# KiCad board haptic display 8x8 aisler.kicad_pcb (continued)
## Routing (per net, layer and track width the routed paths; a pad name or vN(x,y) marks a point on that pad's centre or on a via; arc(x,y) is an arc through that point) (continued)
  Back w0.15: 80.41,123.98 80.36,123.96 80,123.6 80,123.55 80.21,123.56 80.41,123.6 80.61,123.67 80.8,123.76 80.97,123.88 81.12,124.03 81.25,124.19 81.36,124.38 81.44,124.58 81.49,124.79 81.51,125 81.5,125.22 81.46,125.43 81.39,125.64 81.29,125.83 81.16,126.01 81.01,126.17 80.84,126.31 80.65,126.42 80.44,126.5 80.22,126.55 80,126.58 79.78,126.56 79.55,126.52 79.34,126.45 79.14,126.34 78.95,126.21 78.78,126.05 78.64,125.87 78.53,125.67 78.44,125.46 78.38,125.23 78.36,125 78.37,124.77 78.42,124.54 78.49,124.31 78.6,124.1 78.74,123.91 78.91,123.74 79.09,123.59 79.3,123.47 79.52,123.38 79.76,123.32 80,123.3 80.22,123.31 80.44,123.35 80.66,123.41 80.86,123.51 81.05,123.63 81.22,123.78 81.38,123.94 81.51,124.13 81.61,124.33 81.69,124.55 81.74,124.77 81.76,125 81.75,125.23 81.71,125.46 81.64,125.68 81.54,125.89 81.42,126.09 81.27,126.27 81.1,126.43 80.9,126.56 80.69,126.67 80.47,126.75 80.24,126.8 80,126.83 79.76,126.81 79.52,126.77 79.3,126.7 79.08,126.6 78.87,126.47 78.69,126.31 78.52,126.13 78.38,125.93 78.27,125.72 78.19,125.49 78.13,125.25 78.11,125 78.12,124.75 78.17,124.51 78.24,124.27 78.35,124.05 78.48,123.84 78.64,123.64 78.83,123.47 79.04,123.33 79.26,123.21 79.5,123.13 79.75,123.07 80,123.05 80.24,123.06 80.47,123.1 80.7,123.16 80.92,123.26 81.12,123.38 81.31,123.52 81.48,123.68 81.64,123.87 81.76,124.07 81.87,124.29 81.94,124.52 81.99,124.76 82.01,125 82,125.24 81.96,125.48 81.9,125.72 81.8,125.94 81.68,126.16 81.53,126.35 81.36,126.53 81.17,126.69 80.96,126.82 80.73,126.93 80.49,127.01 80.25,127.06 80,127.08 79.75,127.06 79.5,127.02 79.26,126.95 79.03,126.85 78.81,126.73 78.6,126.57 78.42,126.4 78.26,126.2 78.12,125.98 78.01,125.75 77.93,125.51 77.88,125.26 77.86,125 77.87,124.74 77.92,124.49 77.99,124.24 78.09,124 78.22,123.77 78.38,123.56 78.56,123.37 78.76,123.21 78.99,123.07 79.22,122.96 79.48,122.87 79.74,122.82 80,122.8 80.25,122.81 80.49,122.85 80.73,122.91 80.96,123 81.18,123.12 81.39,123.26 81.58,123.42 81.75,123.61 81.9,123.81 82.02,124.03 82.12,124.26 82.2,124.5 82.24,124.75 82.26,125 82.25,125.25 82.21,125.51 82.15,125.75 82.05,125.99 81.93,126.22 81.79,126.43 81.62,126.62 81.43,126.8 81.23,126.95 81,127.08 80.76,127.18 80.52,127.26 80.26,127.31 80,127.33 79.74,127.31 79.48,127.28 79.23,127.21 78.98,127.11 78.75,126.99 78.53,126.84 78.33,126.67 78.15,126.47 78,126.26 77.87,126.03 77.76,125.78 77.68,125.53 77.63,125.27 77.61,125 77.62,124.73 77.66,124.47 77.73,124.21 77.83,123.96 77.96,123.72 78.11,123.49 78.29,123.29 78.49,123.11 78.71,122.94 78.94,122.81 79.2,122.7 79.46,122.62 79.73,122.57 80,122.55 80.26,122.56 80.51,122.6 80.76,122.66 81,122.75 81.24,122.86 81.45,123 81.66,123.16 81.85,123.34 82.01,123.54 82.16,123.75 82.28,123.98 82.38,124.23 82.45,124.48 82.49,124.74 82.51,125 82.5,125.26 82.47,125.52 82.4,125.78 82.31,126.03 82.19,126.27 82.05,126.49 81.89,126.7 81.7,126.89 81.5,127.06 81.28,127.21 81.04,127.34 80.79,127.44 80.53,127.51 80.27,127.56 80,127.58 79.73,127.57 79.46,127.53 79.2,127.46 78.95,127.37 78.7,127.25 78.47,127.1 78.26,126.94 78.06,126.75 77.89,126.54 77.73,126.31 77.61,126.07 77.5,125.81 77.43,125.55 77.38,125.28 77.36,125 77.37,124.72 77.41,124.45 77.48,124.18 77.58,123.92 77.7,123.67 77.85,123.44 78.02,123.22 78.21,123.02 78.43,122.84 78.66,122.68 78.91,122.55 79.17,122.44 79.44,122.37 79.72,122.32 80,122.3 80.27,122.31 80.53,122.34 80.79,122.41 81.04,122.49 81.28,122.6 81.51,122.74 81.73,122.89 81.93,123.07 82.11,123.26 82.28,123.48 82.42,123.71 82.54,123.95 82.63,124.2 82.7,124.46 82.75,124.73 82.76,125 82.75,125.27 82.72,125.54 82.65,125.81 82.57,126.06 82.45,126.31 82.32,126.55 82.16,126.77 81.98,126.98 81.77,127.16 81.56,127.33 81.32,127.47 81.08,127.6 80.82,127.69 80.55,127.76 80.28,127.81 80,127.83 79.72,127.82 79.45,127.78 79.18,127.71 78.91,127.62 78.66,127.51 78.42,127.37 78.19,127.2 77.98,127.02 77.79,126.81 77.62,126.59 77.47,126.35 77.35,126.1 77.25,125.83 77.18,125.56 77.13,125.28 77.11,125 77.12,124.72 77.16,124.44 77.23,124.16 77.32,123.89 77.44,123.63 77.58,123.38 77.75,123.15 77.94,122.94 78.15,122.74 78.37,122.57 78.62,122.42 78.88,122.29 79.15,122.19 79.43,122.11 79.71,122.07 80,122.05 80.27,122.06 80.54,122.09 80.81,122.15 81.07,122.24 81.32,122.34 81.56,122.47 81.79,122.63 82.01,122.8 82.2,122.99 82.38,123.2 82.54,123.43 82.68,123.67 82.8,123.92 82.89,124.18 82.95,124.45 83,124.72 83.01,125 83,125.28 82.97,125.55 82.91,125.83 82.82,126.09 82.71,126.35 82.58,126.6 82.42,126.83 82.25,127.05 82.05,127.25 81.84,127.43 81.61,127.6 81.36,127.74 81.11,127.85 80.84,127.95 80.56,128.02 80.28,128.06 80,128.07 79.72,128.07 79.43,128.03 79.16,127.97 78.88,127.88 78.62,127.77 78.37,127.63 78.13,127.47 77.91,127.29 77.7,127.09 77.52,126.88 77.35,126.64 77.21,126.39 77.09,126.13 76.99,125.86 76.92,125.58 76.88,125.29 76.86,125 76.87,124.71 76.91,124.42 76.97,124.14 77.06,123.86 77.17,123.59 77.31,123.34 77.48,123.09 77.66,122.87 77.86,122.66 78.09,122.47 78.33,122.3 78.58,122.15 78.85,122.03 79.13,121.93 79.41,121.86 79.71,121.82 80,121.8 80.28,121.81 80.56,121.84 80.83,121.9 81.1,121.98 81.36,122.08 81.61,122.21 81.85,122.36 82.07,122.53 82.28,122.72 82.48,122.92 82.65,123.14 82.81,123.38 82.94,123.63 83.05,123.89 83.14,124.16 83.21,124.43 83.25,124.72 83.26,125 83.25,125.28 83.22,125.57 83.16,125.85 83.08,126.12 82.97,126.39 82.84,126.64 82.69,126.89 82.52,127.11 82.33,127.33 82.12,127.53 81.89,127.7 81.65,127.86 81.4,128 81.13,128.11 80.86,128.2 80.58,128.27 80.29,128.31 80,128.32 79.71,128.32 79.42,128.28 79.14,128.22 78.86,128.14 78.59,128.03 78.33,127.9 78.08,127.74 77.84,127.57 77.63,127.37 77.43,127.16 77.25,126.93 77.08,126.68 76.95,126.42 76.83,126.15 76.74,125.87 76.67,125.59 76.63,125.29 76.61,125 76.62,124.7 76.66,124.41 76.72,124.12 76.8,123.84 76.91,123.56 77.05,123.3 77.21,123.04 77.38,122.8 77.58,122.58 77.8,122.38 78.04,122.19 78.29,122.03 78.55,121.89 78.82,121.77 79.11,121.68 79.4,121.61 79.7,121.57 80,121.55 80.29,121.56 80.57,121.59 80.85,121.65 81.12,121.72 81.39,121.83 81.65,121.95 81.9,122.09 82.14,122.26 82.36,122.44 82.56,122.64 82.75,122.86 82.92,123.09 83.07,123.34 83.2,123.6 83.31,123.86 83.4,124.14 83.46,124.42 83.5,124.71 83.51,125 83.5,125.29 83.47,125.58 83.41,125.86 83.33,126.14 83.23,126.42 83.11,126.68 82.96,126.93 82.79,127.17 82.61,127.4 82.4,127.61 82.18,127.8 81.94,127.97 81.69,128.13 81.43,128.26 81.16,128.37 80.88,128.46 80.59,128.52 80.29,128.56 80,128.57 79.7,128.57 79.41,128.53 79.12,128.48 78.83,128.39 78.56,128.29 78.29,128.16 78.03,128.01 77.79,127.84 77.56,127.65 77.35,127.44 77.15,127.22 76.97,126.98 76.82,126.72 76.68,126.45 76.57,126.18 76.48,125.89 76.42,125.6 76.38,125.3 76.36,125 76.37,124.7 76.41,124.4 76.46,124.1 76.55,123.81 76.65,123.53 76.78,123.26 76.94,123 77.11,122.75 77.3,122.52 77.51,122.3 77.74,122.1 77.99,121.92 78.25,121.76 78.52,121.63 78.8,121.51 79.09,121.42 79.39,121.36 79.69,121.32 80,121.3 80.29,121.31 80.58,121.34 80.87,121.39 81.15,121.47 81.42,121.57 81.69,121.69 81.94,121.83 82.19,121.99 82.42,122.17 82.64,122.36 82.84,122.57 83.02,122.8 83.19,123.05 83.34,123.3 83.46,123.57 83.57,123.84 83.65,124.12 83.71,124.41 83.75,124.71 83.76,125 83.75,125.3 83.72,125.59 83.67,125.88 83.59,126.17 83.49,126.45 83.37,126.72 83.23,126.98 83.06,127.23 82.88,127.46 82.68,127.68 82.47,127.89 82.23,128.07 81.99,128.24 81.73,128.39 81.46,128.52 81.18,128.63 80.89,128.71 80.6,128.77 80.3,128.81 80,128.82 79.7,128.82 79.4,128.78 79.1,128.73 78.81,128.65 78.53,128.55 78.25,128.42 77.99,128.28 77.74,128.11 77.5,127.93 77.27,127.73 77.07,127.51 76.88,127.27 76.7,127.02 76.55,126.76 76.42,126.48 76.31,126.2 76.23,125.91 76.17,125.61 76.13,125.3 76.11,125 76.12,124.69 76.15,124.39 76.21,124.09 76.29,123.79 76.39,123.51 76.52,123.23 76.67,122.96 76.83,122.7 77.02,122.46 77.23,122.23 77.45,122.02 77.69,121.82 77.95,121.65 78.22,121.5 78.49,121.37 78.78,121.26 79.08,121.17 79.38,121.1 79.69,121.07 80,121.05 80.3,121.06 80.59,121.09 80.88,121.14 81.17,121.21 81.45,121.31 81.72,121.43 81.99,121.56 82.24,121.72 82.48,121.89 82.71,122.08 82.92,122.29 83.12,122.51 83.3,122.75 83.46,123 83.6,123.27 83.72,123.54 83.82,123.82 83.9,124.11 83.96,124.4 84,124.7 84.01,125 84,125.3 83.97,125.6 83.92,125.89 83.85,126.19 83.75,126.47 83.63,126.75 83.49,127.02 83.33,127.27 83.16,127.52 82.96,127.75 82.75,127.97 82.52,128.17 82.28,128.35 82.03,128.51 81.76,128.66 81.48,128.78 81.2,128.88 80.9,128.96 80.61,129.02 80.3,129.06 80,129.07 79.7,129.07 79.39,129.04 79.09,128.98 78.8,128.91 78.51,128.81 78.22,128.69 77.95,128.55 77.69,128.39 77.44,128.21 77.21,128.01 76.99,127.79 76.79,127.56 76.6,127.32 76.43,127.06 76.29,126.79 76.16,126.51 76.06,126.22 75.97,125.92 75.91,125.62 75.88,125.31 75.86,125 75.87,124.69 75.9,124.38 75.96,124.08 76.03,123.78 76.13,123.48 76.26,123.2 76.4,122.92 76.56,122.66 76.74,122.4 76.95,122.17 77.16,121.94 77.4,121.74 77.65,121.55 77.91,121.38 78.19,121.23 78.47,121.1 78.77,121 79.07,120.91 79.37,120.85 79.69,120.81 80,120.8 80.3,120.81 80.6,120.84 80.89,120.89 81.19,120.96 81.47,121.05 81.75,121.16 82.02,121.3 82.28,121.45 82.53,121.62 82.77,121.8 82.99,122.01 83.2,122.23 83.39,122.46 83.57,122.71 83.72,122.97 83.86,123.24 83.98,123.52 84.08,123.8 84.16,124.1 84.21,124.39 84.25,124.7 84.26,125 84.25,125.3 84.22,125.61 84.17,125.91 84.1,126.2 84.01,126.49 83.89,126.78 83.76,127.05 83.6,127.32 83.43,127.57 83.24,127.81 83.04,128.04 82.81,128.25 82.58,128.44 82.33,128.62 82.06,128.78 81.79,128.92 81.51,129.04 81.22,129.14 80.92,129.22 80.61,129.28 80.31,129.31 80,129.32 79.69,129.32 79.38,129.29 79.08,129.23 78.78,129.16 78.48,129.07 78.2,128.95 77.92,128.81 77.65,128.66 77.39,128.48 77.15,128.29 76.92,128.08 76.71,127.85 76.51,127.61 76.33,127.36 76.17,127.09 76.02,126.82 75.9,126.53 75.8,126.23 75.72,125.93 75.66,125.62 75.63,125.31 75.61,125 75.62,124.69 75.65,124.37 75.7,124.07 75.78,123.76 75.88,123.46 75.99,123.17 76.13,122.89 76.29,122.62 76.47,122.36 76.66,122.11 76.88,121.88 77.1,121.66 77.35,121.46 77.61,121.28 77.88,121.11 78.16,120.97 78.45,120.84 78.75,120.74 79.06,120.66 79.37,120.6 79.68,120.56 80,120.55 81.45,120.55 ; 80.41,108.98 80.36,108.96 80,108.6 80,108.55 80.21,108.56 80.41,108.6 80.61,108.67 80.8,108.76 80.97,108.88 81.12,109.03 81.25,109.19 81.36,109.38 81.44,109.58 81.49,109.79 81.51,110 81.5,110.22 81.46,110.43 81.39,110.64 81.29,110.83 81.16,111.01 81.01,111.17 80.84,111.31 80.65,111.42 80.44,111.5 80.22,111.55 80,111.58 79.78,111.56 79.55,111.52 79.34,111.45 79.14,111.34 78.95,111.21 78.78,111.05 78.64,110.87 78.53,110.67 78.44,110.46 78.38,110.23 78.36,110 78.37,109.77 78.42,109.54 78.49,109.31 78.6,109.1 78.74,108.91 78.91,108.74 79.09,108.59 79.3,108.47 79.52,108.38 79.76,108.32 80,108.3 80.22,108.31 80.44,108.35 80.66,108.41 80.86,108.51 81.05,108.63 81.22,108.78 81.38,108.94 81.51,109.13 81.61,109.33 81.69,109.55 81.74,109.77 81.76,110 81.75,110.23 81.71,110.46 81.64,110.68 81.54,110.89 81.42,111.09 81.27,111.27 81.1,111.43 80.9,111.56 80.69,111.67 80.47,111.75 80.24,111.8 80,111.83 79.76,111.81 79.52,111.77 79.3,111.7 79.08,111.6 78.87,111.47 78.69,111.31 78.52,111.13 78.38,110.93 78.27,110.72 78.19,110.49 78.13,110.25 78.11,110 78.12,109.75 78.17,109.51 78.24,109.27 78.35,109.05 78.48,108.84 78.64,108.64 78.83,108.47 79.04,108.33 79.26,108.21 79.5,108.13 79.75,108.07 80,108.05 80.24,108.06 80.47,108.1 80.7,108.16 80.92,108.26 81.12,108.38 81.31,108.52 81.48,108.68 81.64,108.87 81.76,109.07 81.87,109.29 81.94,109.52 81.99,109.76 82.01,110 82,110.24 81.96,110.48 81.9,110.72 81.8,110.94 81.68,111.16 81.53,111.35 81.36,111.53 81.17,111.69 80.96,111.82 80.73,111.93 80.49,112.01 80.25,112.06 80,112.08 79.75,112.06 79.5,112.02 79.26,111.95 79.03,111.85 78.81,111.73 78.6,111.57 78.42,111.4 78.26,111.2 78.12,110.98 78.01,110.75 77.93,110.51 77.88,110.26 77.86,110 77.87,109.74 77.92,109.49 77.99,109.24 78.09,109 78.22,108.77 78.38,108.56 78.56,108.37 78.76,108.21 78.99,108.07 79.22,107.96 79.48,107.87 79.74,107.82 80,107.8 80.25,107.81 80.49,107.85 80.73,107.91 80.96,108 81.18,108.12 81.39,108.26 81.58,108.42 81.75,108.61 81.9,108.81 82.02,109.03 82.12,109.26 82.2,109.5 82.24,109.75 82.26,110 82.25,110.25 82.21,110.51 82.15,110.75 82.05,110.99 81.93,111.22 81.79,111.43 81.62,111.62 81.43,111.8 81.23,111.95 81,112.08 80.76,112.18 80.52,112.26 80.26,112.31 80,112.33 79.74,112.31 79.48,112.28 79.23,112.21 78.98,112.11 78.75,111.99 78.53,111.84 78.33,111.67 78.15,111.47 78,111.26 77.87,111.03 77.76,110.78 77.68,110.53 77.63,110.27 77.61,110 77.62,109.73 77.66,109.47 77.73,109.21 77.83,108.96 77.96,108.72 78.11,108.49 78.29,108.29 78.49,108.11 78.71,107.94 78.94,107.81 79.2,107.7 79.46,107.62 79.73,107.57 80,107.55 80.26,107.56 80.51,107.6 80.76,107.66 81,107.75 81.24,107.86 81.45,108 81.66,108.16 81.85,108.34 82.01,108.54 82.16,108.75 82.28,108.98 82.38,109.23 82.45,109.48 82.49,109.74 82.51,110 82.5,110.26 82.47,110.52 82.4,110.78 82.31,111.03 82.19,111.27 82.05,111.49 81.89,111.7 81.7,111.89 81.5,112.06 81.28,112.21 81.04,112.34 80.79,112.44 80.53,112.51 80.27,112.56 80,112.58 79.73,112.57 79.46,112.53 79.2,112.46 78.95,112.37 78.7,112.25 78.47,112.1 78.26,111.94 78.06,111.75 77.89,111.54 77.73,111.31 77.61,111.07 77.5,110.81 77.43,110.55 77.38,110.28 77.36,110 77.37,109.72 77.41,109.45 77.48,109.18 77.58,108.92 77.7,108.67 77.85,108.44 78.02,108.22 78.21,108.02 78.43,107.84 78.66,107.68 78.91,107.55 79.17,107.44 79.44,107.37 79.72,107.32 80,107.3 80.27,107.31 80.53,107.34 80.79,107.41 81.04,107.49 81.28,107.6 81.51,107.74 81.73,107.89 81.93,108.07 82.11,108.26 82.28,108.48 82.42,108.71 82.54,108.95 82.63,109.2 82.7,109.46 82.75,109.73 82.76,110 82.75,110.27 82.72,110.54 82.65,110.81 82.57,111.06 82.45,111.31 82.32,111.55 82.16,111.77 81.98,111.98 81.77,112.16 81.56,112.33 81.32,112.47 81.08,112.6 80.82,112.69 80.55,112.76 80.28,112.81 80,112.83 79.72,112.82 79.45,112.78 79.18,112.71 78.91,112.62 78.66,112.51 78.42,112.37 78.19,112.2 77.98,112.02 77.79,111.81 77.62,111.59 77.47,111.35 77.35,111.1 77.25,110.83 77.18,110.56 77.13,110.28 77.11,110 77.12,109.72 77.16,109.44 77.23,109.16 77.32,108.89 77.44,108.63 77.58,108.38 77.75,108.15 77.94,107.94 78.15,107.74 78.37,107.57 78.62,107.42 78.88,107.29 79.15,107.19 79.43,107.11 79.71,107.07 80,107.05 80.27,107.06 80.54,107.09 80.81,107.15 81.07,107.24 81.32,107.34 81.56,107.47 81.79,107.63 82.01,107.8 82.2,107.99 82.38,108.2 82.54,108.43 82.68,108.67 82.8,108.92 82.89,109.18 82.95,109.45 83,109.72 83.01,110 83,110.28 82.97,110.55 82.91,110.83 82.82,111.09 82.71,111.35 82.58,111.6 82.42,111.83 82.25,112.05 82.05,112.25 81.84,112.43 81.61,112.6 81.36,112.74 81.11,112.85 80.84,112.95 80.56,113.02 80.28,113.06 80,113.08 79.72,113.07 79.43,113.03 79.16,112.97 78.88,112.88 78.62,112.77 78.37,112.63 78.13,112.47 77.91,112.29 77.7,112.09 77.52,111.88 77.35,111.64 77.21,111.39 77.09,111.13 76.99,110.86 76.92,110.58 76.88,110.29 76.86,110 76.87,109.71 76.91,109.42 76.97,109.14 77.06,108.86 77.17,108.59 77.31,108.34 77.48,108.09 77.66,107.87 77.86,107.66 78.09,107.47 78.33,107.3 78.58,107.15 78.85,107.03 79.13,106.93 79.41,106.86 79.71,106.82 80,106.8 80.28,106.81 80.56,106.84 80.83,106.9 81.1,106.98 81.36,107.08 81.61,107.21 81.85,107.36 82.07,107.53 82.28,107.72 82.48,107.92 82.65,108.14 82.81,108.38 82.94,108.63 83.05,108.89 83.14,109.16 83.21,109.43 83.25,109.72 83.26,110 83.25,110.28 83.22,110.57 83.16,110.85 83.08,111.12 82.97,111.39 82.84,111.64 82.69,111.89 82.52,112.11 82.33,112.33 82.12,112.53 81.89,112.7 81.65,112.86 81.4,113 81.13,113.11 80.86,113.2 80.58,113.27 80.29,113.31 80,113.33 79.71,113.32 79.42,113.28 79.14,113.22 78.86,113.14 78.59,113.03 78.33,112.9 78.08,112.74 77.84,112.57 77.63,112.37 77.43,112.16 77.25,111.93 77.08,111.68 76.95,111.42 76.83,111.15 76.74,110.87 76.67,110.59 76.63,110.29 76.61,110 76.62,109.7 76.66,109.41 76.72,109.12 76.8,108.84 76.91,108.56 77.05,108.3 77.21,108.04 77.38,107.8 77.58,107.58 77.8,107.38 78.04,107.19 78.29,107.03 78.55,106.89 78.82,106.77 79.11,106.68 79.4,106.61 79.7,106.57 80,106.55 80.29,106.56 80.57,106.59 80.85,106.65 81.12,106.72 81.39,106.83 81.65,106.95 81.9,107.09 82.14,107.26 82.36,107.44 82.56,107.64 82.75,107.86 82.92,108.09 83.07,108.34 83.2,108.6 83.31,108.86 83.4,109.14 83.46,109.42 83.5,109.71 83.51,110 83.5,110.29 83.47,110.58 83.41,110.86 83.33,111.14 83.23,111.42 83.11,111.68 82.96,111.93 82.79,112.17 82.61,112.4 82.4,112.61 82.18,112.8 81.94,112.97 81.69,113.13 81.43,113.26 81.16,113.37 80.88,113.46 80.59,113.52 80.29,113.56 80,113.58 79.7,113.57 79.41,113.53 79.12,113.48 78.83,113.39 78.56,113.29 78.29,113.16 78.03,113.01 77.79,112.84 77.56,112.65 77.35,112.44 77.15,112.22 76.97,111.98 76.82,111.72 76.68,111.45 76.57,111.18 76.48,110.89 76.42,110.6 76.38,110.3 76.36,110 76.37,109.7 76.41,109.4 76.46,109.1 76.55,108.81 76.65,108.53 76.78,108.26 76.94,108 77.11,107.75 77.3,107.52 77.51,107.3 77.74,107.1 77.99,106.92 78.25,106.76 78.52,106.63 78.8,106.51 79.09,106.42 79.39,106.36 79.69,106.32 80,106.3 80.29,106.31 80.58,106.34 80.87,106.39 81.15,106.47 81.42,106.57 81.69,106.69 81.94,106.83 82.19,106.99 82.42,107.17 82.64,107.36 82.84,107.57 83.02,107.8 83.19,108.05 83.34,108.3 83.46,108.57 83.57,108.84 83.65,109.12 83.71,109.41 83.75,109.71 83.76,110 83.75,110.3 83.72,110.59 83.67,110.88 83.59,111.17 83.49,111.45 83.37,111.72 83.23,111.98 83.06,112.23 82.88,112.46 82.68,112.68 82.47,112.89 82.23,113.07 81.99,113.24 81.73,113.39 81.46,113.52 81.18,113.63 80.89,113.71 80.6,113.77 80.3,113.81 80,113.83 79.7,113.82 79.4,113.78 79.1,113.73 78.81,113.65 78.53,113.55 78.25,113.42 77.99,113.28 77.74,113.11 77.5,112.93 77.27,112.73 77.07,112.51 76.88,112.27 76.7,112.02 76.55,111.76 76.42,111.48 76.31,111.2 76.23,110.91 76.17,110.61 76.13,110.3 76.11,110 76.12,109.69 76.15,109.39 76.21,109.09 76.29,108.79 76.39,108.51 76.52,108.23 76.67,107.96 76.83,107.7 77.02,107.46 77.23,107.23 77.45,107.02 77.69,106.82 77.95,106.65 78.22,106.5 78.49,106.37 78.78,106.26 79.08,106.17 79.38,106.1 79.69,106.07 80,106.05 80.3,106.06 80.59,106.09 80.88,106.14 81.17,106.21 81.45,106.31 81.72,106.43 81.99,106.56 82.24,106.72 82.48,106.89 82.71,107.08 82.92,107.29 83.12,107.51 83.3,107.75 83.46,108 83.6,108.27 83.72,108.54 83.82,108.82 83.9,109.11 83.96,109.4 84,109.7 84.01,110 84,110.3 83.97,110.6 83.92,110.89 83.85,111.19 83.75,111.47 83.63,111.75 83.49,112.02 83.33,112.27 83.16,112.52 82.96,112.75 82.75,112.97 82.52,113.17 82.28,113.35 82.03,113.51 81.76,113.66 81.48,113.78 81.2,113.88 80.9,113.96 80.61,114.02 80.3,114.06 80,114.08 79.7,114.07 79.39,114.04 79.09,113.98 78.8,113.91 78.51,113.81 78.22,113.69 77.95,113.55 77.69,113.39 77.44,113.21 77.21,113.01 76.99,112.79 76.79,112.56 76.6,112.32 76.43,112.06 76.29,111.79 76.16,111.51 76.06,111.22 75.97,110.92 75.91,110.62 75.88,110.31 75.86,110 75.87,109.69 75.9,109.38 75.96,109.08 76.03,108.78 76.13,108.48 76.26,108.2 76.4,107.92 76.56,107.66 76.74,107.4 76.95,107.17 77.16,106.94 77.4,106.74 77.65,106.55 77.91,106.38 78.19,106.23 78.47,106.1 78.77,106 79.07,105.91 79.37,105.85 79.69,105.81 80,105.8 80.3,105.81 80.6,105.84 80.89,105.89 81.19,105.96 81.47,106.05 81.75,106.16 82.02,106.3 82.28,106.45 82.53,106.62 82.77,106.8 82.99,107.01 83.2,107.23 83.39,107.46 83.57,107.71 83.72,107.97 83.86,108.24 83.98,108.52 84.08,108.8 84.16,109.1 84.21,109.39 84.25,109.7 84.26,110 84.25,110.3 84.22,110.61 84.17,110.91 84.1,111.2 84.01,111.49 83.89,111.78 83.76,112.05 83.6,112.32 83.43,112.57 83.24,112.81 83.04,113.04 82.81,113.25 82.58,113.44 82.33,113.62 82.06,113.78 81.79,113.92 81.51,114.04 81.22,114.14 80.92,114.22 80.61,114.28 80.31,114.31 80,114.33 79.69,114.32 79.38,114.29 79.08,114.23 78.78,114.16 78.48,114.07 78.2,113.95 77.92,113.81 77.65,113.66 77.39,113.48 77.15,113.29 76.92,113.08 76.71,112.85 76.51,112.61 76.33,112.36 76.17,112.09 76.02,111.82 75.9,111.53 75.8,111.23 75.72,110.93 75.66,110.62 75.63,110.31 75.61,110 75.62,109.69 75.65,109.37 75.7,109.07 75.78,108.76 75.88,108.46 75.99,108.17 76.13,107.89 76.29,107.62 76.47,107.36 76.66,107.11 76.88,106.88 77.1,106.66 77.35,106.46 77.61,106.28 77.88,106.11 78.16,105.97 78.45,105.84 78.75,105.74 79.06,105.66 79.37,105.6 79.68,105.56 80,105.55 81.45,105.55 ; 80.41,93.98 80.36,93.96 80,93.6 80,93.55 80.21,93.56 80.41,93.6 80.61,93.67 80.8,93.76 80.97,93.88 81.12,94.03 81.25,94.19 81.36,94.38 81.44,94.58 81.49,94.79 81.51,95 81.5,95.22 81.46,95.43 81.39,95.64 81.29,95.83 81.16,96.01 81.01,96.17 80.84,96.31 80.65,96.42 80.44,96.5 80.22,96.55 80,96.58 79.78,96.56 79.55,96.52 79.34,96.45 79.14,96.34 78.95,96.21 78.78,96.05 78.64,95.87 78.53,95.67 78.44,95.46 78.38,95.23 78.36,95 78.37,94.77 78.42,94.54 78.49,94.31 78.6,94.1 78.74,93.91 78.91,93.74 79.09,93.59 79.3,93.47 79.52,93.38 79.76,93.32 80,93.3 80.22,93.31 80.44,93.35 80.66,93.41 80.86,93.51 81.05,93.63 81.22,93.78 81.38,93.94 81.51,94.13 81.61,94.33 81.69,94.55 81.74,94.77 81.76,95 81.75,95.23 81.71,95.46 81.64,95.68 81.54,95.89 81.42,96.09 81.27,96.27 81.1,96.43 80.9,96.56 80.69,96.67 80.47,96.75 80.24,96.8 80,96.83 79.76,96.81 79.52,96.77 79.3,96.7 79.08,96.6 78.87,96.47 78.69,96.31 78.52,96.13 78.38,95.93 78.27,95.72 78.19,95.49 78.13,95.25 78.11,95 78.12,94.75 78.17,94.51 78.24,94.27 78.35,94.05 78.48,93.84 78.64,93.64 78.83,93.47 79.04,93.33 79.26,93.21 79.5,93.13 79.75,93.07 80,93.05 80.24,93.06 80.47,93.1 80.7,93.16 80.92,93.26 81.12,93.38 81.31,93.52 81.48,93.68 81.64,93.87 81.76,94.07 81.87,94.29 81.94,94.52 81.99,94.76 82.01,95 82,95.24 81.96,95.48 81.9,95.72 81.8,95.94 81.68,96.16 81.53,96.35 81.36,96.53 81.17,96.69 80.96,96.82 80.73,96.93 80.49,97.01 80.25,97.06 80,97.08 79.75,97.06 79.5,97.02 79.26,96.95 79.03,96.85 78.81,96.73 78.6,96.57 78.42,96.4 78.26,96.2 78.12,95.98 78.01,95.75 77.93,95.51 77.88,95.26 77.86,95 77.87,94.74 77.92,94.49 77.99,94.24 78.09,94 78.22,93.77 78.38,93.56 78.56,93.37 78.76,93.21 78.99,93.07 79.22,92.96 79.48,92.87 79.74,92.82 80,92.8 80.25,92.81 80.49,92.85 80.73,92.91 80.96,93 81.18,93.12 81.39,93.26 81.58,93.42 81.75,93.61 81.9,93.81 82.02,94.03 82.12,94.26 82.2,94.5 82.24,94.75 82.26,95 82.25,95.25 82.21,95.51 82.15,95.75 82.05,95.99 81.93,96.22 81.79,96.43 81.62,96.62 81.43,96.8 81.23,96.95 81,97.08 80.76,97.18 80.52,97.26 80.26,97.31 80,97.33 79.74,97.31 79.48,97.28 79.23,97.21 78.98,97.11 78.75,96.99 78.53,96.84 78.33,96.67 78.15,96.47 78,96.26 77.87,96.03 77.76,95.78 77.68,95.53 77.63,95.27 77.61,95 77.62,94.73 77.66,94.47 77.73,94.21 77.83,93.96 77.96,93.72 78.11,93.49 78.29,93.29 78.49,93.11 78.71,92.94 78.94,92.81 79.2,92.7 79.46,92.62 79.73,92.57 80,92.55 80.26,92.56 80.51,92.6 80.76,92.66 81,92.75 81.24,92.86 81.45,93 81.66,93.16 81.85,93.34 82.01,93.54 82.16,93.75 82.28,93.98 82.38,94.23 82.45,94.48 82.49,94.74 82.51,95 82.5,95.26 82.47,95.52 82.4,95.78 82.31,96.03 82.19,96.27 82.05,96.49 81.89,96.7 81.7,96.89 81.5,97.06 81.28,97.21 81.04,97.34 80.79,97.44 80.53,97.51 80.27,97.56 80,97.58 79.73,97.57 79.46,97.53 79.2,97.46 78.95,97.37 78.7,97.25 78.47,97.1 78.26,96.94 78.06,96.75 77.89,96.54 77.73,96.31 77.61,96.07 77.5,95.81 77.43,95.55 77.38,95.28 77.36,95 77.37,94.72 77.41,94.45 77.48,94.18 77.58,93.92 77.7,93.67 77.85,93.44 78.02,93.22 78.21,93.02 78.43,92.84 78.66,92.68 78.91,92.55 79.17,92.44 79.44,92.37 79.72,92.32 80,92.3 80.27,92.31 80.53,92.34 80.79,92.41 81.04,92.49 81.28,92.6 81.51,92.74 81.73,92.89 81.93,93.07 82.11,93.26 82.28,93.48 82.42,93.71 82.54,93.95 82.63,94.2 82.7,94.46 82.75,94.73 82.76,95 82.75,95.27 82.72,95.54 82.65,95.81 82.57,96.06 82.45,96.31 82.32,96.55 82.16,96.77 81.98,96.98 81.77,97.16 81.56,97.33 81.32,97.47 81.08,97.6 80.82,97.69 80.55,97.76 80.28,97.81 80,97.83 79.72,97.82 79.45,97.78 79.18,97.71 78.91,97.62 78.66,97.51 78.42,97.37 78.19,97.2 77.98,97.02 77.79,96.81 77.62,96.59 77.47,96.35 77.35,96.1 77.25,95.83 77.18,95.56 77.13,95.28 77.11,95 77.12,94.72 77.16,94.44 77.23,94.16 77.32,93.89 77.44,93.63 77.58,93.38 77.75,93.15 77.94,92.94 78.15,92.74 78.37,92.57 78.62,92.42 78.88,92.29 79.15,92.19 79.43,92.11 79.71,92.07 80,92.05 80.27,92.06 80.54,92.09 80.81,92.15 81.07,92.24 81.32,92.34 81.56,92.47 81.79,92.63 82.01,92.8 82.2,92.99 82.38,93.2 82.54,93.43 82.68,93.67 82.8,93.92 82.89,94.18 82.95,94.45 83,94.72 83.01,95 83,95.28 82.97,95.55 82.91,95.83 82.82,96.09 82.71,96.35 82.58,96.6 82.42,96.83 82.25,97.05 82.05,97.25 81.84,97.43 81.61,97.6 81.36,97.74 81.11,97.85 80.84,97.95 80.56,98.02 80.28,98.06 80,98.08 79.72,98.07 79.43,98.03 79.16,97.97 78.88,97.88 78.62,97.77 78.37,97.63 78.13,97.47 77.91,97.29 77.7,97.09 77.52,96.88 77.35,96.64 77.21,96.39 77.09,96.13 76.99,95.86 76.92,95.58 76.88,95.29 76.86,95 76.87,94.71 76.91,94.42 76.97,94.14 77.06,93.86 77.17,93.59 77.31,93.34 77.48,93.09 77.66,92.87 77.86,92.66 78.09,92.47 78.33,92.3 78.58,92.15 78.85,92.03 79.13,91.93 79.41,91.86 79.71,91.82 80,91.8 80.28,91.81 80.56,91.84 80.83,91.9 81.1,91.98 81.36,92.08 81.61,92.21 81.85,92.36 82.07,92.53 82.28,92.72 82.48,92.92 82.65,93.14 82.81,93.38 82.94,93.63 83.05,93.89 83.14,94.16 83.21,94.43 83.25,94.72 83.26,95 83.25,95.28 83.22,95.57 83.16,95.85 83.08,96.12 82.97,96.39 82.84,96.64 82.69,96.89 82.52,97.11 82.33,97.33 82.12,97.53 81.89,97.7 81.65,97.86 81.4,98 81.13,98.11 80.86,98.2 80.58,98.27 80.29,98.31 80,98.33 79.71,98.32 79.42,98.28 79.14,98.22 78.86,98.14 78.59,98.03 78.33,97.9 78.08,97.74 77.84,97.57 77.63,97.37 77.43,97.16 77.25,96.93 77.08,96.68 76.95,96.42 76.83,96.15 76.74,95.87 76.67,95.59 76.63,95.29 76.61,95 76.62,94.7 76.66,94.41 76.72,94.12 76.8,93.84 76.91,93.56 77.05,93.3 77.21,93.04 77.38,92.8 77.58,92.58 77.8,92.38 78.04,92.19 78.29,92.03 78.55,91.89 78.82,91.77 79.11,91.68 79.4,91.61 79.7,91.57 80,91.55 80.29,91.56 80.57,91.59 80.85,91.65 81.12,91.72 81.39,91.83 81.65,91.95 81.9,92.09 82.14,92.26 82.36,92.44 82.56,92.64 82.75,92.86 82.92,93.09 83.07,93.34 83.2,93.6 83.31,93.86 83.4,94.14 83.46,94.42 83.5,94.71 83.51,95 83.5,95.29 83.47,95.58 83.41,95.86 83.33,96.14 83.23,96.42 83.11,96.68 82.96,96.93 82.79,97.17 82.61,97.4 82.4,97.61 82.18,97.8 81.94,97.97 81.69,98.13 81.43,98.26 81.16,98.37 80.88,98.46 80.59,98.52 80.29,98.56 80,98.58 79.7,98.57 79.41,98.53 79.12,98.48 78.83,98.39 78.56,98.29 78.29,98.16 78.03,98.01 77.79,97.84 77.56,97.65 77.35,97.44 77.15,97.22 76.97,96.98 76.82,96.72 76.68,96.45 76.57,96.18 76.48,95.89 76.42,95.6 76.38,95.3 76.36,95 76.37,94.7 76.41,94.4 76.46,94.1 76.55,93.81 76.65,93.53 76.78,93.26 76.94,93 77.11,92.75 77.3,92.52 77.51,92.3 77.74,92.1 77.99,91.92 78.25,91.76 78.52,91.63 78.8,91.51 79.09,91.42 79.39,91.36 79.69,91.32 80,91.3 80.29,91.31 80.58,91.34 80.87,91.39 81.15,91.47 81.42,91.57 81.69,91.69 81.94,91.83 82.19,91.99 82.42,92.17 82.64,92.36 82.84,92.57 83.02,92.8 83.19,93.05 83.34,93.3 83.46,93.57 83.57,93.84 83.65,94.12 83.71,94.41 83.75,94.71 83.76,95 83.75,95.3 83.72,95.59 83.67,95.88 83.59,96.17 83.49,96.45 83.37,96.72 83.23,96.98 83.06,97.23 82.88,97.46 82.68,97.68 82.47,97.89 82.23,98.07 81.99,98.24 81.73,98.39 81.46,98.52 81.18,98.63 80.89,98.71 80.6,98.77 80.3,98.81 80,98.83 79.7,98.82 79.4,98.78 79.1,98.73 78.81,98.65 78.53,98.55 78.25,98.42 77.99,98.28 77.74,98.11 77.5,97.93 77.27,97.73 77.07,97.51 76.88,97.27 76.7,97.02 76.55,96.76 76.42,96.48 76.31,96.2 76.23,95.91 76.17,95.61 76.13,95.3 76.11,95 76.12,94.69 76.15,94.39 76.21,94.09 76.29,93.79 76.39,93.51 76.52,93.23 76.67,92.96 76.83,92.7 77.02,92.46 77.23,92.23 77.45,92.02 77.69,91.82 77.95,91.65 78.22,91.5 78.49,91.37 78.78,91.26 79.08,91.17 79.38,91.1 79.69,91.07 80,91.05 80.3,91.06 80.59,91.09 80.88,91.14 81.17,91.21 81.45,91.31 81.72,91.43 81.99,91.56 82.24,91.72 82.48,91.89 82.71,92.08 82.92,92.29 83.12,92.51 83.3,92.75 83.46,93 83.6,93.27 83.72,93.54 83.82,93.82 83.9,94.11 83.96,94.4 84,94.7 84.01,95 84,95.3 83.97,95.6 83.92,95.89 83.85,96.19 83.75,96.47 83.63,96.75 83.49,97.02 83.33,97.27 83.16,97.52 82.96,97.75 82.75,97.97 82.52,98.17 82.28,98.35 82.03,98.51 81.76,98.66 81.48,98.78 81.2,98.88 80.9,98.96 80.61,99.02 80.3,99.06 80,99.08 79.7,99.07 79.39,99.04 79.09,98.98 78.8,98.91 78.51,98.81 78.22,98.69 77.95,98.55 77.69,98.39 77.44,98.21 77.21,98.01 76.99,97.79 76.79,97.56 76.6,97.32 76.43,97.06 76.29,96.79 76.16,96.51 76.06,96.22 75.97,95.92 75.91,95.62 75.88,95.31 75.86,95 75.87,94.69 75.9,94.38 75.96,94.08 76.03,93.78 76.13,93.48 76.26,93.2 76.4,92.92 76.56,92.66 76.74,92.4 76.95,92.17 77.16,91.94 77.4,91.74 77.65,91.55 77.91,91.38 78.19,91.23 78.47,91.1 78.77,91 79.07,90.91 79.37,90.85 79.69,90.81 80,90.8 80.3,90.81 80.6,90.84 80.89,90.89 81.19,90.96 81.47,91.05 81.75,91.16 82.02,91.3 82.28,91.45 82.53,91.62 82.77,91.8 82.99,92.01 83.2,92.23 83.39,92.46 83.57,92.71 83.72,92.97 83.86,93.24 83.98,93.52 84.08,93.8 84.16,94.1 84.21,94.39 84.25,94.7 84.26,95 84.25,95.3 84.22,95.61 84.17,95.91 84.1,96.2 84.01,96.49 83.89,96.78 83.76,97.05 83.6,97.32 83.43,97.57 83.24,97.81 83.04,98.04 82.81,98.25 82.58,98.44 82.33,98.62 82.06,98.78 81.79,98.92 81.51,99.04 81.22,99.14 80.92,99.22 80.61,99.28 80.31,99.31 80,99.33 79.69,99.32 79.38,99.29 79.08,99.23 78.78,99.16 78.48,99.07 78.2,98.95 77.92,98.81 77.65,98.66 77.39,98.48 77.15,98.29 76.92,98.08 76.71,97.85 76.51,97.61 76.33,97.36 76.17,97.09 76.02,96.82 75.9,96.53 75.8,96.23 75.72,95.93 75.66,95.62 75.63,95.31 75.61,95 75.62,94.69 75.65,94.37 75.7,94.07 75.78,93.76 75.88,93.46 75.99,93.17 76.13,92.89 76.29,92.62 76.47,92.36 76.66,92.11 76.88,91.88 77.1,91.66 77.35,91.46 77.61,91.28 77.88,91.11 78.16,90.97 78.45,90.84 78.75,90.74 79.06,90.66 79.37,90.6 79.68,90.56 80,90.55 81.45,90.55 ; 80.41,78.98 80.36,78.96 80,78.6 80,78.55 80.21,78.56 80.41,78.6 80.61,78.67 80.8,78.76 80.97,78.88 81.12,79.03 81.25,79.19 81.36,79.38 81.44,79.58 81.49,79.79 81.51,80 81.5,80.22 81.46,80.43 81.39,80.64 81.29,80.83 81.16,81.01 81.01,81.17 80.84,81.31 80.65,81.42 80.44,81.5 80.22,81.55 80,81.58 79.78,81.56 79.55,81.52 79.34,81.45 79.14,81.34 78.95,81.21 78.78,81.05 78.64,80.87 78.53,80.67 78.44,80.46 78.38,80.23 78.36,80 78.37,79.77 78.42,79.54 78.49,79.31 78.6,79.1 78.74,78.91 78.91,78.74 79.09,78.59 79.3,78.47 79.52,78.38 79.76,78.32 80,78.3 80.22,78.31 80.44,78.35 80.66,78.41 80.86,78.51 81.05,78.63 81.22,78.78 81.38,78.94 81.51,79.13 81.61,79.33 81.69,79.55 81.74,79.77 81.76,80 81.75,80.23 81.71,80.46 81.64,80.68 81.54,80.89 81.42,81.09 81.27,81.27 81.1,81.43 80.9,81.56 80.69,81.67 80.47,81.75 80.24,81.8 80,81.83 79.76,81.81 79.52,81.77 79.3,81.7 79.08,81.6 78.87,81.47 78.69,81.31 78.52,81.13 78.38,80.93 78.27,80.72 78.19,80.49 78.13,80.25 78.11,80 78.12,79.75 78.17,79.51 78.24,79.27 78.35,79.05 78.48,78.84 78.64,78.64 78.83,78.47 79.04,78.33 79.26,78.21 79.5,78.13 79.75,78.07 80,78.05 80.24,78.06 80.47,78.1 80.7,78.16 80.92,78.26 81.12,78.38 81.31,78.52 81.48,78.68 81.64,78.87 81.76,79.07 81.87,79.29 81.94,79.52 81.99,79.76 82.01,80 82,80.24 81.96,80.48 81.9,80.72 81.8,80.94 81.68,81.16 81.53,81.35 81.36,81.53 81.17,81.69 80.96,81.82 80.73,81.93 80.49,82.01 80.25,82.06 80,82.08 79.75,82.06 79.5,82.02 79.26,81.95 79.03,81.85 78.81,81.73 78.6,81.57 78.42,81.4 78.26,81.2 78.12,80.98 78.01,80.75 77.93,80.51 77.88,80.26 77.86,80 77.87,79.74 77.92,79.49 77.99,79.24 78.09,79 78.22,78.77 78.38,78.56 78.56,78.37 78.76,78.21 78.99,78.07 79.22,77.96 79.48,77.87 79.74,77.82 80,77.8 80.25,77.81 80.49,77.85 80.73,77.91 80.96,78 81.18,78.12 81.39,78.26 81.58,78.42 81.75,78.61 81.9,78.81 82.02,79.03 82.12,79.26 82.2,79.5 82.24,79.75 82.26,80 82.25,80.25 82.21,80.51 82.15,80.75 82.05,80.99 81.93,81.22 81.79,81.43 81.62,81.62 81.43,81.8 81.23,81.95 81,82.08 80.76,82.18 80.52,82.26 80.26,82.31 80,82.33 79.74,82.31 79.48,82.28 79.23,82.21 78.98,82.11 78.75,81.99 78.53,81.84 78.33,81.67 78.15,81.47 78,81.26 77.87,81.03 77.76,80.78 77.68,80.53 77.63,80.27 77.61,80 77.62,79.73 77.66,79.47 77.73,79.21 77.83,78.96 77.96,78.72 78.11,78.49 78.29,78.29 78.49,78.11 78.71,77.94 78.94,77.81 79.2,77.7 79.46,77.62 79.73,77.57 80,77.55 80.26,77.56 80.51,77.6 80.76,77.66 81,77.75 81.24,77.86 81.45,78 81.66,78.16 81.85,78.34 82.01,78.54 82.16,78.75 82.28,78.98 82.38,79.23 82.45,79.48 82.49,79.74 82.51,80 82.5,80.26 82.47,80.52 82.4,80.78 82.31,81.03 82.19,81.27 82.05,81.49 81.89,81.7 81.7,81.89 81.5,82.06 81.28,82.21 81.04,82.34 80.79,82.44 80.53,82.51 80.27,82.56 80,82.58 79.73,82.57 79.46,82.53 79.2,82.46 78.95,82.37 78.7,82.25 78.47,82.1 78.26,81.94 78.06,81.75 77.89,81.54 77.73,81.31 77.61,81.07 77.5,80.81 77.43,80.55 77.38,80.28 77.36,80 77.37,79.72 77.41,79.45 77.48,79.18 77.58,78.92 77.7,78.67 77.85,78.44 78.02,78.22 78.21,78.02 78.43,77.84 78.66,77.68 78.91,77.55 79.17,77.44 79.44,77.37 79.72,77.32 80,77.3 80.27,77.31 80.53,77.34 80.79,77.41 81.04,77.49 81.28,77.6 81.51,77.74 81.73,77.89 81.93,78.07 82.11,78.26 82.28,78.48 82.42,78.71 82.54,78.95 82.63,79.2 82.7,79.46 82.75,79.73 82.76,80 82.75,80.27 82.72,80.54 82.65,80.81 82.57,81.06 82.45,81.31 82.32,81.55 82.16,81.77 81.98,81.98 81.77,82.16 81.56,82.33 81.32,82.47 81.08,82.6 80.82,82.69 80.55,82.76 80.28,82.81 80,82.83 79.72,82.82 79.45,82.78 79.18,82.71 78.91,82.62 78.66,82.51 78.42,82.37 78.19,82.2 77.98,82.02 77.79,81.81 77.62,81.59 77.47,81.35 77.35,81.1 77.25,80.83 77.18,80.56 77.13,80.28 77.11,80 77.12,79.72 77.16,79.44 77.23,79.16 77.32,78.89 77.44,78.63 77.58,78.38 77.75,78.15 77.94,77.94 78.15,77.74 78.37,77.57 78.62,77.42 78.88,77.29 79.15,77.19 79.43,77.11 79.71,77.07 80,77.05 80.27,77.06 80.54,77.09 80.81,77.15 81.07,77.24 81.32,77.34 81.56,77.47 81.79,77.63 82.01,77.8 82.2,77.99 82.38,78.2 82.54,78.43 82.68,78.67 82.8,78.92 82.89,79.18 82.95,79.45 83,79.72 83.01,80 83,80.28 82.97,80.55 82.91,80.83 82.82,81.09 82.71,81.35 82.58,81.6 82.42,81.83 82.25,82.05 82.05,82.25 81.84,82.43 81.61,82.6 81.36,82.74 81.11,82.85 80.84,82.95 80.56,83.02 80.28,83.06 80,83.08 79.72,83.07 79.43,83.03 79.16,82.97 78.88,82.88 78.62,82.77 78.37,82.63 78.13,82.47 77.91,82.29 77.7,82.09 77.52,81.88 77.35,81.64 77.21,81.39 77.09,81.13 76.99,80.86 76.92,80.58 76.88,80.29 76.86,80 76.87,79.71 76.91,79.42 76.97,79.14 77.06,78.86 77.17,78.59 77.31,78.34 77.48,78.09 77.66,77.87 77.86,77.66 78.09,77.47 78.33,77.3 78.58,77.15 78.85,77.03 79.13,76.93 79.41,76.86 79.71,76.82 80,76.8 80.28,76.81 80.56,76.84 80.83,76.9 81.1,76.98 81.36,77.08 81.61,77.21 81.85,77.36 82.07,77.53 82.28,77.72 82.48,77.92 82.65,78.14 82.81,78.38 82.94,78.63 83.05,78.89 83.14,79.16 83.21,79.43 83.25,79.72 83.26,80 83.25,80.28 83.22,80.57 83.16,80.85 83.08,81.12 82.97,81.39 82.84,81.64 82.69,81.89 82.52,82.11 82.33,82.33 82.12,82.53 81.89,82.7 81.65,82.86 81.4,83 81.13,83.11 80.86,83.2 80.58,83.27 80.29,83.31 80,83.33 79.71,83.32 79.42,83.28 79.14,83.22 78.86,83.14 78.59,83.03 78.33,82.9 78.08,82.74 77.84,82.57 77.63,82.37 77.43,82.16 77.25,81.93 77.08,81.68 76.95,81.42 76.83,81.15 76.74,80.87 76.67,80.59 76.63,80.29 76.61,80 76.62,79.7 76.66,79.41 76.72,79.12 76.8,78.84 76.91,78.56 77.05,78.3 77.21,78.04 77.38,77.8 77.58,77.58 77.8,77.38 78.04,77.19 78.29,77.03 78.55,76.89 78.82,76.77 79.11,76.68 79.4,76.61 79.7,76.57 80,76.55 80.29,76.56 80.57,76.59 80.85,76.65 81.12,76.72 81.39,76.83 81.65,76.95 81.9,77.09 82.14,77.26 82.36,77.44 82.56,77.64 82.75,77.86 82.92,78.09 83.07,78.34 83.2,78.6 83.31,78.86 83.4,79.14 83.46,79.42 83.5,79.71 83.51,80 83.5,80.29 83.47,80.58 83.41,80.86 83.33,81.14 83.23,81.42 83.11,81.68 82.96,81.93 82.79,82.17 82.61,82.4 82.4,82.61 82.18,82.8 81.94,82.97 81.69,83.13 81.43,83.26 81.16,83.37 80.88,83.46 80.59,83.52 80.29,83.56 80,83.58 79.7,83.57 79.41,83.53 79.12,83.48 78.83,83.39 78.56,83.29 78.29,83.16 78.03,83.01 77.79,82.84 77.56,82.65 77.35,82.44 77.15,82.22 76.97,81.98 76.82,81.72 76.68,81.45 76.57,81.18 76.48,80.89 76.42,80.6 76.38,80.3 76.36,80 76.37,79.7 76.41,79.4 76.46,79.1 76.55,78.81 76.65,78.53 76.78,78.26 76.94,78 77.11,77.75 77.3,77.52 77.51,77.3 77.74,77.1 77.99,76.92 78.25,76.76 78.52,76.63 78.8,76.51 79.09,76.42 79.39,76.36 79.69,76.32 80,76.3 80.29,76.31 80.58,76.34 80.87,76.39 81.15,76.47 81.42,76.57 81.69,76.69 81.94,76.83 82.19,76.99 82.42,77.17 82.64,77.36 82.84,77.57 83.02,77.8 83.19,78.05 83.34,78.3 83.46,78.57 83.57,78.84 83.65,79.12 83.71,79.41 83.75,79.71 83.76,80 83.75,80.3 83.72,80.59 83.67,80.88 83.59,81.17 83.49,81.45 83.37,81.72 83.23,81.98 83.06,82.23 82.88,82.46 82.68,82.68 82.47,82.89 82.23,83.07 81.99,83.24 81.73,83.39 81.46,83.52 81.18,83.63 80.89,83.71 80.6,83.77 80.3,83.81 80,83.83 79.7,83.82 79.4,83.78 79.1,83.73 78.81,83.65 78.53,83.55 78.25,83.42 77.99,83.28 77.74,83.11 77.5,82.93 77.27,82.73 77.07,82.51 76.88,82.27 76.7,82.02 76.55,81.76 76.42,81.48 76.31,81.2 76.23,80.91 76.17,80.61 76.13,80.3 76.11,80 76.12,79.69 76.15,79.39 76.21,79.09 76.29,78.79 76.39,78.51 76.52,78.23 76.67,77.96 76.83,77.7 77.02,77.46 77.23,77.23 77.45,77.02 77.69,76.82 77.95,76.65 78.22,76.5 78.49,76.37 78.78,76.26 79.08,76.17 79.38,76.1 79.69,76.07 80,76.05 80.3,76.06 80.59,76.09 80.88,76.14 81.17,76.21 81.45,76.31 81.72,76.43 81.99,76.56 82.24,76.72 82.48,76.89 82.71,77.08 82.92,77.29 83.12,77.51 83.3,77.75 83.46,78 83.6,78.27 83.72,78.54 83.82,78.82 83.9,79.11 83.96,79.4 84,79.7 84.01,80 84,80.3 83.97,80.6 83.92,80.89 83.85,81.19 83.75,81.47 83.63,81.75 83.49,82.02 83.33,82.27 83.16,82.52 82.96,82.75 82.75,82.97 82.52,83.17 82.28,83.35 82.03,83.51 81.76,83.66 81.48,83.78 81.2,83.88 80.9,83.96 80.61,84.02 80.3,84.06 80,84.08 79.7,84.07 79.39,84.04 79.09,83.98 78.8,83.91 78.51,83.81 78.22,83.69 77.95,83.55 77.69,83.39 77.44,83.21 77.21,83.01 76.99,82.79 76.79,82.56 76.6,82.32 76.43,82.06 76.29,81.79 76.16,81.51 76.06,81.22 75.97,80.92 75.91,80.62 75.88,80.31 75.86,80 75.87,79.69 75.9,79.38 75.96,79.08 76.03,78.78 76.13,78.48 76.26,78.2 76.4,77.92 76.56,77.66 76.74,77.4 76.95,77.17 77.16,76.94 77.4,76.74 77.65,76.55 77.91,76.38 78.19,76.23 78.47,76.1 78.77,76 79.07,75.91 79.37,75.85 79.69,75.81 80,75.8 80.3,75.81 80.6,75.84 80.89,75.89 81.19,75.96 81.47,76.05 81.75,76.16 82.02,76.3 82.28,76.45 82.53,76.62 82.77,76.8 82.99,77.01 83.2,77.23 83.39,77.46 83.57,77.71 83.72,77.97 83.86,78.24 83.98,78.52 84.08,78.8 84.16,79.1 84.21,79.39 84.25,79.7 84.26,80 84.25,80.3 84.22,80.61 84.17,80.91 84.1,81.2 84.01,81.49 83.89,81.78 83.76,82.05 83.6,82.32 83.43,82.57 83.24,82.81 83.04,83.04 82.81,83.25 82.58,83.44 82.33,83.62 82.06,83.78 81.79,83.92 81.51,84.04 81.22,84.14 80.92,84.22 80.61,84.28 80.31,84.31 80,84.33 79.69,84.32 79.38,84.29 79.08,84.23 78.78,84.16 78.48,84.07 78.2,83.95 77.92,83.81 77.65,83.66 77.39,83.48 77.15,83.29 76.92,83.08 76.71,82.85 76.51,82.61 76.33,82.36 76.17,82.09 76.02,81.82 75.9,81.53 75.8,81.23 75.72,80.93 75.66,80.62 75.63,80.31 75.61,80 75.62,79.69 75.65,79.37 75.7,79.07 75.78,78.76 75.88,78.46 75.99,78.17 76.13,77.89 76.29,77.62 76.47,77.36 76.66,77.11 76.88,76.88 77.1,76.66 77.35,76.46 77.61,76.28 77.88,76.11 78.16,75.97 78.45,75.84 78.75,75.74 79.06,75.66 79.37,75.6 79.68,75.56 80,75.55 81.45,75.55 ; 80.41,63.98 80.36,63.96 80,63.6 80,63.55 80.21,63.56 80.41,63.6 80.61,63.67 80.8,63.76 80.97,63.88 81.12,64.03 81.25,64.19 81.36,64.38 81.44,64.58 81.49,64.79 81.51,65 81.5,65.22 81.46,65.43 81.39,65.64 81.29,65.83 81.16,66.01 81.01,66.17 80.84,66.31 80.65,66.42 80.44,66.5 80.22,66.55 80,66.58 79.78,66.56 79.55,66.52 79.34,66.45 79.14,66.34 78.95,66.21 78.78,66.05 78.64,65.87 78.53,65.67 78.44,65.46 78.38,65.23 78.36,65 78.37,64.77 78.42,64.54 78.49,64.31 78.6,64.1 78.74,63.91 78.91,63.74 79.09,63.59 79.3,63.47 79.52,63.38 79.76,63.32 80,63.3 80.22,63.31 80.44,63.35 80.66,63.41 80.86,63.51 81.05,63.63 81.22,63.78 81.38,63.94 81.51,64.13 81.61,64.33 81.69,64.55 81.74,64.77 81.76,65 81.75,65.23 81.71,65.46 81.64,65.68 81.54,65.89 81.42,66.09 81.27,66.27 81.1,66.43 80.9,66.56 80.69,66.67 80.47,66.75 80.24,66.8 80,66.83 79.76,66.81 79.52,66.77 79.3,66.7 79.08,66.6 78.87,66.47 78.69,66.31 78.52,66.13 78.38,65.93 78.27,65.72 78.19,65.49 78.13,65.25 78.11,65 78.12,64.75 78.17,64.51 78.24,64.27 78.35,64.05 78.48,63.84 78.64,63.64 78.83,63.47 79.04,63.33 79.26,63.21 79.5,63.13 79.75,63.07 80,63.05 80.24,63.06 80.47,63.1 80.7,63.16 80.92,63.26 81.12,63.38 81.31,63.52 81.48,63.68 81.64,63.87 81.76,64.07 81.87,64.29 81.94,64.52 81.99,64.76 82.01,65 82,65.24 81.96,65.48 81.9,65.72 81.8,65.94 81.68,66.16 81.53,66.35 81.36,66.53 81.17,66.69 80.96,66.82 80.73,66.93 80.49,67.01 80.25,67.06 80,67.08 79.75,67.06 79.5,67.02 79.26,66.95 79.03,66.85 78.81,66.73 78.6,66.57 78.42,66.4 78.26,66.2 